# Altium PCB NAVISMINI.PcbDoc (part 2 of 3)
Units mm, origin at the board's own origin, x right, y up, seen from the top; angles counter-clockwise.
Board outline 112.9 x 55.9 mm, 2 copper layers (Top Layer, Bottom Layer); 137 components, 104 nets, 651 pads, 1057 vias.
Unrouted connection lines stored in the file: 57.
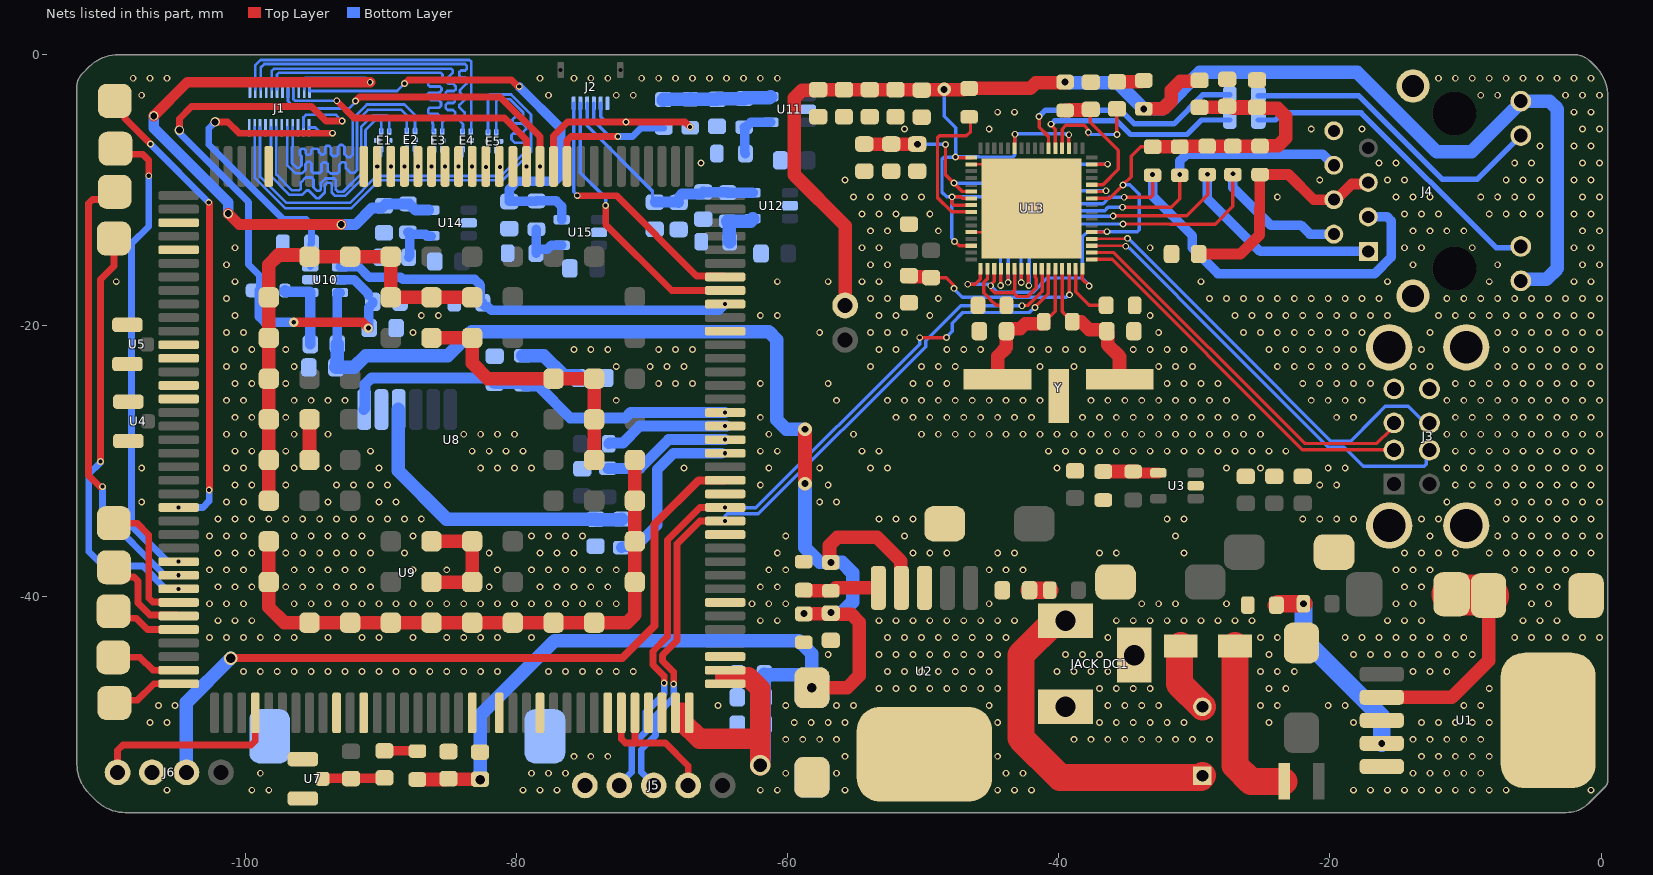
[diagram p2: the nets of this part, all layers, seen from the top]

## Via types
v1: diameter 0.5, hole 0.3, Top Layer to Bottom Layer, tented both sides, 1018 vias
v2: diameter 1, hole 0.5, Top Layer to Bottom Layer, tented both sides, 18 vias
v3: diameter 0.7, hole 0.35, Top Layer to Bottom Layer, tented both sides, 6 vias
v4: diameter 1, hole 0.7, Top Layer to Bottom Layer, tented both sides, 5 vias
v5: diameter 0.7, hole 0.5, Top Layer to Bottom Layer, tented both sides, 5 vias
v6: diameter 1.5, hole 1, Top Layer to Bottom Layer, tented both sides, 3 vias
v7: diameter 0.5, hole 0.3, Top Layer to Bottom Layer, 2 vias

## Nets (pads, with @x,y where several pads share a name; then routed paths per layer and width w, separated by ;. In a path a pad name is that pad's centre, name@x,y a point inside that pad or via, vN(x,y) a via of type N, cw(c..) or ccw(c..) an arc to the next point about the centre after c; other vN are vias at no path point) (continued)
GND: "JACK DC1.2" "JACK DC1.3" C1.2 C2.2 C3.2 C4.1 C5.1 C6.1 C7.2 C8.2 C9.2 C10.1 C11.1 C12.1 C13.1 C14.1 C16.1 C17.1 C18.1 C19.1 C20.1 C21.1 C22.1 C23.1 C24.1 C25.1 C26.1 C27.1 C28.1 C29.2 C30.1 C31.1 C32.1 C33.1 C34.1 C35.2 C36.1 C37.1 C38.2 C39.1 C40.1 C41.1 C42.2 C43.1 C44.1 C45.1 C46.1 C47.1 C48.2 C51.1 C52.1 D2.1 E1.5 E1.6 E2.5 E2.6 E3.5 E3.6 E4.5 E4.6 E5.5 E5.6 J1.1 J1.4 J1.7 J1.10 J1.15 J1.18 J1.21 J1.24 J2.6 J3.4 J3.8 J3.S1 J3.S2 J3.S3 J3.S4 J4.8 J4.15 J4.16 J5.5 J6.2 LED1.2 R3.1 R6.1 R7.1 R8.1 R14.1 R15.1 R17.1 R19.1 R23.1 R24.2 R35.1 R36.1 U1.3 U1.5 U2.3 U3.2 U4.E U5.E U7.E U8.3 U8.7 U8.12 U8.15 U8.27 U8.51 U8.62 U8.69 U8.76 U8.78 U8.85 U8.86 U8.88 U8.89 U8.120 U8.122 U8.130 U8.132 U8.135 U8.140 U8.143 U8.144 U8.147 U8.148 U8.149 U8.150 U8.160 U8.161 U8.162 U8.163 U8.164 U8.165 U8.166 U8.167 U8.168 U8.169 U8.170 U8.171 U8.172 U8.173 U8.174 U8.175 U8.176 U8.177 U8.178 U8.180 U8.181 U8.182 U8.184 U8.185 U8.186 U8.188 U8.189 U8.192 U8.193 U8.198 U8.200 U8.201 U8.208 U8.209 U9.C5 U9.S1 U10.2 U11.2 U12.2 U13.34 U13.44 U13.65 U14.2 U15.2 Y.3 | length 123.2
  Top Layer w0.2: U8.89@-104.9,-25.4 -104.862,-25.438 U8.89@-104.788,-25.364 ; U13.44@-46.45,-13.1 -43.75,-13.1 U13.65@-42,-11.35 -45.25,-8.1 U13.34@-46.45,-8.1
  Top Layer w1: U8.169@-98.25,-35.9 -98.25,-40.75 -97.1,-41.9 U8.171@-95.25,-41.9 U8.172@-92.25,-41.9 U8.173@-89.25,-41.9 U8.174@-86.25,-41.9 U8.175@-83.25,-41.9 U8.176@-80.25,-41.9 U8.177@-77.25,-41.9 U8.178@-74.25,-41.9 -71.836,-41.9 -71.25,-41.314 U8.147@-71.25,-38.9 U8.148@-71.25,-35.9 U8.149@-71.25,-32.9 U8.150@-71.25,-29.9 ; U8.168@-98.25,-32.9 U8.167@-98.25,-29.9 U8.166@-98.25,-26.9 U8.165@-98.25,-23.9 U8.164@-98.25,-20.9 U8.163@-98.25,-17.9 -98.25,-15.497 -97.535,-14.783 -95.367,-14.783 U8.162@-95.25,-14.9 U8.161@-92.25,-14.9 U8.160@-89.25,-14.9 U8.186@-89.25,-17.9 U8.185@-86.25,-17.9 U8.184@-83.25,-17.9 ; U8.189@-95.25,-29.9 U8.188@-95.25,-26.9 ; U8.192@-86.25,-38.9 U8.193@-83.25,-38.9 U8.209@-83.25,-35.9 U8.208@-86.25,-35.9 ; U8.201@-86.25,-20.9 U8.200@-83.25,-20.9 -83.25,-22.75 -82.1,-23.9 U8.198@-77.25,-23.9 U8.182@-74.25,-23.9 U8.181@-74.25,-26.9 U8.180@-74.25,-29.9
  other v1: -105.75,-54.25 -99.5,-54.25 -98.25,-54.25 -79.5,-54.25 -78.25,-54.25 -77,-54.25 -62,-54.25 -60.75,-54.25 -55.75,-54.25 -44.5,-54.25 -43.25,-54.25 -42,-54.25 -18.25,-54.25 -17,-54.25 -15.75,-54.25 -14.5,-54.25 -13.25,-54.25 -12,-54.25 -10.75,-54.25 -9.5,-54.25 -8.25,-54.25 -7,-54.25 -0.75,-54.25 -98.875,-53 -78.875,-53 -77.625,-53 -76.375,-53 -60.125,-53 -56.375,-53 -43.875,-53 -42.625,-53 -13.875,-53 -12.625,-53 -11.375,-53 -10.125,-53 -8.875,-53 -75.75,-51.75 -74.5,-51.75 -73.25,-51.75 -55.75,-51.75 -44.5,-51.75 -13.25,-51.75 -12,-51.75 -10.75,-51.75 -9.5,-51.75 -8.25,-51.75 -60.125,-50.5 -58.875,-50.5 -57.625,-50.5 -56.375,-50.5 -38.875,-50.5 -37.625,-50.5 -36.375,-50.5 -35.125,-50.5 -33.875,-50.5 -32.625,-50.5 -31.375,-50.5 -30.125,-50.5 -28.875,-50.5 -13.875,-50.5 -12.625,-50.5 -11.375,-50.5 -10.125,-50.5 -8.875,-50.5 -107,-49.25 -105.75,-49.25 -59.5,-49.25 -58.25,-49.25 -57,-49.25 -55.75,-49.25 -44.5,-49.25 -37,-49.25 -35.75,-49.25 -34.5,-49.25 -33.25,-49.25 -32,-49.25 -30.75,-49.25 -24.5,-49.25 -18.25,-49.25 -13.25,-49.25 -12,-49.25 -10.75,-49.25 -9.5,-49.25 -8.25,-49.25 -106.375,-48 -105.174,-48 -65.125,-48 -60.125,-48 -56.375,-48 -55.125,-48 -45.125,-48 -36.375,-48 -35.125,-48 -33.875,-48 -32.625,-48 -25.125,-48 -23.875,-48 -20.125,-48 -18.875,-48 -10.125,-48 -8.875,-48 -53.25,-46.75 -52,-46.75 -50.75,-46.75 -49.5,-46.75 -48.25,-46.75 -47,-46.75 -45.75,-46.75 -44.5,-46.75 -37,-46.75 -35.75,-46.75 -34.5,-46.75 -33.25,-46.75 -24.5,-46.75 -23.25,-46.75 -8.25,-46.75 -100.125,-45.5 -98.875,-45.5 -97.625,-45.5 -96.375,-45.5 -95.125,-45.5 -93.875,-45.5 -92.625,-45.5 -91.375,-45.5 -90.125,-45.5 -88.875,-45.5 -87.625,-45.5 -86.375,-45.5 -85.125,-45.5 -83.875,-45.5 -82.625,-45.5 -81.375,-45.5 -77.625,-45.5 -76.375,-45.5 -75.125,-45.5 -73.875,-45.5 -72.625,-45.5 -71.375,-45.5 -52.625,-45.5 -51.375,-45.5 -50.125,-45.5 -48.875,-45.5 -47.625,-45.5 -46.375,-45.5 -45.125,-45.5 -40.125,-45.5 -38.875,-45.5 -37.625,-45.5 -36.375,-45.5 -25.125,-45.5 -23.875,-45.5 -22.625,-45.5 -13.875,-45.5 -12.625,-45.5 -11.375,-45.5 -57,-44.25 -53.25,-44.25 -52,-44.25 -50.75,-44.25 -49.5,-44.25 -48.25,-44.25 -47,-44.25 -45.75,-44.25 -44.5,-44.25 -39.5,-44.25 -38.25,-44.25 -37,-44.25 -24.5,-44.25 -18.25,-44.25 -17,-44.25 -15.75,-44.25 -14.5,-44.25 -13.25,-44.25 -12,-44.25 -10.75,-44.25 -9.5,-44.25 -102.625,-43 -101.375,-43 -100.125,-43 -98.875,-43 -97.625,-43 -96.375,-43 -93.875,-43 -91.375,-43 -90.125,-43 -87.625,-43 -85.125,-43 -83.875,-43 -82.625,-43 -81.375,-43 -78.875,-43 -52.625,-43 -51.375,-43 -50.125,-43 -48.875,-43 -47.625,-43 -46.375,-43 -45.125,-43 -43.875,-43 -36.375,-43 -25.125,-43 -23.875,-43 -18.875,-43 -17.625,-43 -16.375,-43 -15.125,-43 -13.875,-43 -12.625,-43 -11.375,-43 -10.125,-43 -6.375,-43 -5.125,-43 -3.875,-43 -2.625,-43 -1.375,-43 -0.125,-43 -102,-41.75 -100.75,-41.75 -99.5,-41.75 -62,-41.75 -60.75,-41.75 -53.25,-41.75 -52,-41.75 -50.75,-41.75 -49.5,-41.75 -48.25,-41.75 -47,-41.75 -45.75,-41.75 -44.5,-41.75 -43.25,-41.75 -35.75,-41.75 -34.5,-41.75 -33.25,-41.75 -32,-41.75 -30.75,-41.75 -29.5,-41.75 -28.25,-41.75 -27,-41.75 -25.75,-41.75 -15.75,-41.75 -14.5,-41.75 -13.25,-41.75 -5.75,-41.75 -4.5,-41.75 -3.25,-41.75 -102.625,-40.5 -101.375,-40.5 -100.125,-40.5 -96.375,-40.5 -95.125,-40.5 -93.875,-40.5 -92.625,-40.5 -91.375,-40.5 -90.125,-40.5 -88.875,-40.5 -87.625,-40.5 -86.375,-40.5 -85.125,-40.5 -83.875,-40.5 -82.625,-40.5 -81.375,-40.5 -80.125,-40.5 -78.875,-40.5 -77.625,-40.5 -76.375,-40.5 -75.125,-40.5 -73.875,-40.5 -72.625,-40.5 -62.625,-40.5 -61.375,-40.5 -60.125,-40.5 -45.125,-40.5 -33.875,-40.5 -32.625,-40.5 -31.375,-40.5 -27.625,-40.5 -15.125,-40.5 -13.875,-40.5 -5.125,-40.5 -3.875,-40.5 -102,-39.25 -100.75,-39.25 -99.5,-39.25 -97,-39.25 -95.75,-39.25 -94.5,-39.25 -93.25,-39.25 -92,-39.25 -90.75,-39.25 -82,-39.25 -78.25,-39.25 -77,-39.25 -75.75,-39.25 -74.5,-39.25 -73.25,-39.25 -62,-39.25 -60.75,-39.25 -14.5,-39.25 -13.25,-39.25 -5.75,-39.25 -4.5,-39.25 -3.25,-39.25 -102.625,-38 -101.375,-38 -100.125,-38 -96.375,-38 -95.125,-38 -93.875,-38 -92.625,-38 -91.375,-38 -87.625,-38 -85.125,-38 -81.375,-38 -78.875,-38 -77.625,-38 -76.375,-38 -75.125,-38 -73.875,-38 -72.625,-38 -61.375,-38 -60.125,-38 -45.125,-38 -43.875,-38 -42.625,-38 -15.125,-38 -13.875,-38 -12.625,-38 -6.375,-38 -5.125,-38 -3.875,-38 -2.625,-38 -102,-36.75 -100.75,-36.75 -99.5,-36.75 -97,-36.75 -95.75,-36.75 -94.5,-36.75 -93.25,-36.75 -92,-36.75 -90.75,-36.75 -88.25,-36.75 -82,-36.75 -78.25,-36.75 -77,-36.75 -75.75,-36.75 -60.75,-36.75 -50.75,-36.75 -49.5,-36.75 -48.25,-36.75 -44.5,-36.75 -43.25,-36.75 -37,-36.75 -35.75,-36.75 -30.75,-36.75 -14.5,-36.75 -13.25,-36.75 -12,-36.75 -10.75,-36.75 -8.25,-36.75 -7,-36.75 -5.75,-36.75 -4.5,-36.75 -3.25,-36.75 -2,-36.75 -0.75,-36.75 -102.625,-35.5 -101.375,-35.5 -100.125,-35.5 -96.375,-35.5 -95.125,-35.5 -93.875,-35.5 -92.625,-35.5 -91.375,-35.5 -87.625,-35.5 -78.875,-35.5 -77.625,-35.5 -76.375,-35.5 -75.125,-35.5 -60.125,-35.5 -51.375,-35.5 -31.375,-35.5 -12.625,-35.5 -7.625,-35.5 -6.375,-35.5 -5.125,-35.5 -3.875,-35.5 -2.625,-35.5 -1.375,-35.5 -0.125,-35.5 -102,-34.25 -100.75,-34.25 -99.5,-34.25 -98.25,-34.25 -97,-34.25 -95.75,-34.25 -94.5,-34.25 -93.25,-34.25 -92,-34.25 -90.75,-34.25 -89.5,-34.25 -88.25,-34.25 -87,-34.25 -53.25,-34.25 -52,-34.25 -50.75,-34.25 -32,-34.25 -30.75,-34.25 -22,-34.25 -20.75,-34.25 -19.5,-34.25 -18.25,-34.25 -13.25,-34.25 -12,-34.25 -7,-34.25 -5.75,-34.25 -4.5,-34.25 -3.25,-34.25 -2,-34.25 -0.75,-34.25 -107.625,-33 -101.375,-33 -100.125,-33 -93.875,-33 -90.125,-33 -88.875,-33 -57.625,-33 -56.375,-33 -11.375,-33 -7.625,-33 -6.375,-33 -5.125,-33 -3.875,-33 -2.625,-33 -1.375,-33 -0.125,-33 -100.75,-31.75 -99.5,-31.75 -97,-31.75 -93.25,-31.75 -92,-31.75 -90.75,-31.75 -89.5,-31.75 -62,-31.75 -57,-31.75 -20.75,-31.75 -19.5,-31.75 -10.75,-31.75 -9.5,-31.75 -8.25,-31.75 -7,-31.75 -5.75,-31.75 -4.5,-31.75 -3.25,-31.75 -2,-31.75 -0.75,-31.75 -107.625,-30.5 -101.375,-30.5 -100.125,-30.5 -96.375,-30.5 -93.875,-30.5 -90.125,-30.5 -82.625,-30.5 -81.375,-30.5 -80.125,-30.5 -78.875,-30.5 -67.625,-30.5 -61.375,-30.5 -57.625,-30.5 -53.875,-30.5 -52.625,-30.5 -40.125,-30.5 -27.625,-30.5 -25.125,-30.5 -20.125,-30.5 -18.875,-30.5 -11.375,-30.5 -10.125,-30.5 -8.875,-30.5 -7.625,-30.5 -6.375,-30.5 -5.125,-30.5 -3.875,-30.5 -2.625,-30.5 -1.375,-30.5 -0.125,-30.5 -100.75,-29.25 -99.5,-29.25 -97,-29.25 -90.75,-29.25 -83.25,-29.25 -82,-29.25 -80.75,-29.25 -79.5,-29.25 -62,-29.25 -60.75,-29.25 -54.5,-29.25 -53.25,-29.25 -40.75,-29.25 -39.5,-29.25 -38.25,-29.25 -37,-29.25 -35.75,-29.25 -34.5,-29.25 -33.25,-29.25 -32,-29.25 -30.75,-29.25 -29.5,-29.25 -28.25,-29.25 -27,-29.25 -25.75,-29.25 -24.5,-29.25 -23.25,-29.25 -10.75,-29.25 -9.5,-29.25 -8.25,-29.25 -7,-29.25 -5.75,-29.25 -4.5,-29.25 -3.25,-29.25 -2,-29.25 -0.75,-29.25 -101.375,-28 -100.125,-28 -96.375,-28 -93.875,-28 -83.875,-28 -82.625,-28 -81.375,-28 -80.125,-28 -61.375,-28 -55.125,-28 -50.125,-28 -48.875,-28 -47.625,-28 -46.375,-28 -45.125,-28 -43.875,-28 -42.625,-28 -41.375,-28 -40.125,-28 -38.875,-28 -37.625,-28 -36.375,-28 -35.125,-28 -33.875,-28 -32.625,-28 -31.375,-28 -30.125,-28 -28.875,-28 -27.625,-28 -26.375,-28 -25.125,-28 -11.375,-28 -10.125,-28 -8.875,-28 -7.625,-28 -6.375,-28 -5.125,-28 -3.875,-28 -2.625,-28 -1.375,-28 -0.125,-28 -100.75,-26.75 -99.5,-26.75 -97,-26.75 -62,-26.75 -52,-26.75 -50.75,-26.75 -49.5,-26.75 -48.25,-26.75 -47,-26.75 -45.75,-26.75 -44.5,-26.75 -43.25,-26.75 -42,-26.75 -38.25,-26.75 -37,-26.75 -35.75,-26.75 -34.5,-26.75 -33.25,-26.75 -32,-26.75 -30.75,-26.75 -29.5,-26.75 -28.25,-26.75 -27,-26.75 -25.75,-26.75 -19.5,-26.75 -18.25,-26.75 -10.75,-26.75 -9.5,-26.75 -8.25,-26.75 -7,-26.75 -5.75,-26.75 -4.5,-26.75 -3.25,-26.75 -2,-26.75 -0.75,-26.75 -101.375,-25.5 -100.125,-25.5 -96.375,-25.5 -95.125,-25.5 -93.875,-25.5 -92.625,-25.5 -72.625,-25.5 -56.375,-25.5 -52.625,-25.5 -51.375,-25.5 -50.125,-25.5 -48.875,-25.5 -47.625,-25.5 -46.375,-25.5 -45.125,-25.5 -43.875,-25.5 -42.625,-25.5 -41.375,-25.5 -37.625,-25.5 -36.375,-25.5 -35.125,-25.5 -33.875,-25.5 -32.625,-25.5 -31.375,-25.5 -30.125,-25.5 -28.875,-25.5 -27.625,-25.5 -21.375,-25.5 -20.125,-25.5 -18.875,-25.5 -17.625,-25.5 -11.375,-25.5 -10.125,-25.5 -8.875,-25.5 -7.625,-25.5 -6.375,-25.5 -5.125,-25.5 -3.875,-25.5 -2.625,-25.5 -1.375,-25.5 -0.125,-25.5 -100.75,-24.25 -99.5,-24.25 -97,-24.25 -69.5,-24.25 -68.25,-24.25 -67,-24.25 -62,-24.25 -57,-24.25 -50.75,-24.25 -49.5,-24.25 -48.25,-24.25 -32,-24.25 -30.75,-24.25 -29.5,-24.25 -28.25,-24.25 -22,-24.25 -20.75,-24.25 -19.5,-24.25 -18.25,-24.25 -17,-24.25 -10.75,-24.25 -9.5,-24.25 -8.25,-24.25 -7,-24.25 -5.75,-24.25 -4.5,-24.25 -3.25,-24.25 -2,-24.25 -0.75,-24.25 -101.375,-23 -100.125,-23 -96.375,-23 -72.625,-23 -70.125,-23 -68.875,-23 -67.625,-23 -53.875,-23 -50.125,-23 -48.875,-23 -47.625,-23 -41.375,-23 -38.875,-23 -32.625,-23 -31.375,-23 -30.125,-23 -23.875,-23 -22.625,-23 -21.375,-23 -20.125,-23 -18.875,-23 -17.625,-23 -13.875,-23 -12.625,-23 -7.625,-23 -6.375,-23 -5.125,-23 -3.875,-23 -2.625,-23 -1.375,-23 -0.125,-23 -100.75,-21.75 -99.5,-21.75 -97,-21.75 -75.75,-21.75 -74.5,-21.75 -73.25,-21.75 -69.5,-21.75 -68.25,-21.75 -67,-21.75 -53.25,-21.75 -52,-21.75 -48.25,-21.75 -47,-21.75 -45.75,-21.75 -42,-21.75 -40.75,-21.75 -39.5,-21.75 -38.25,-21.75 -34.5,-21.75 -33.25,-21.75 -32,-21.75 -30.75,-21.75 -24.5,-21.75 -23.25,-21.75 -22,-21.75 -20.75,-21.75 -19.5,-21.75 -18.25,-21.75 -13.25,-21.75 -7,-21.75 -5.75,-21.75 -4.5,-21.75 -3.25,-21.75 -2,-21.75 -0.75,-21.75 -101.375,-20.5 -100.125,-20.5 -87.625,-20.5 -57.625,-20.5 -53.875,-20.5 -52.625,-20.5 -51.375,-20.5 -32.625,-20.5 -26.375,-20.5 -25.125,-20.5 -23.875,-20.5 -22.625,-20.5 -21.375,-20.5 -20.125,-20.5 -18.875,-20.5 -17.625,-20.5 -12.625,-20.5 -7.625,-20.5 -6.375,-20.5 -5.125,-20.5 -3.875,-20.5 -2.625,-20.5 -1.375,-20.5 -0.125,-20.5 -100.75,-19.25 -87,-19.25 -85.75,-19.25 -62,-19.25 -60.75,-19.25 -53.25,-19.25 -52,-19.25 -49.5,-19.25 -33.25,-19.25 -27,-19.25 -25.75,-19.25 -24.5,-19.25 -23.25,-19.25 -22,-19.25 -20.75,-19.25 -19.5,-19.25 -18.25,-19.25 -17,-19.25 -15.75,-19.25 -12,-19.25 -10.75,-19.25 -9.5,-19.25 -8.25,-19.25 -7,-19.25 -5.75,-19.25 -4.5,-19.25 -3.25,-19.25 -2,-19.25 -0.75,-19.25 -101.375,-18 -53.875,-18 -52.625,-18 -48.875,-18 -28.875,-18 -27.625,-18 -26.375,-18 -25.125,-18 -23.875,-18 -22.625,-18 -21.375,-18 -20.125,-18 -18.875,-18 -17.625,-18 -16.375,-18 -11.375,-18 -10.125,-18 -8.875,-18 -7.625,-18 -6.375,-18 -5.125,-18 -3.875,-18 -2.625,-18 -1.375,-18 -0.125,-18 -109.5,-16.75 -100.75,-16.75 -60.75,-16.75 -57,-16.75 -54.5,-16.75 -53.25,-16.75 -29.5,-16.75 -15.75,-16.75 -8.25,-16.75 -2,-16.75 -0.75,-16.75 -101.375,-15.5 -53.875,-15.5 -52.625,-15.5 -13.875,-15.5 -7.625,-15.5 -1.375,-15.5 -0.125,-15.5 -100.75,-14.25 -54.5,-14.25 -53.25,-14.25 -33.25,-14.25 -14.5,-14.25 -13.25,-14.25 -9.5,-14.25 -2,-14.25 -0.75,-14.25 -53.875,-13 -52.625,-13 -48.875,-13 -13.875,-13 -12.625,-13 -11.375,-13 -10.125,-13 -1.375,-13 -0.125,-13 -54.5,-11.75 -53.25,-11.75 -52,-11.75 -49.5,-11.75 -14.5,-11.75 -13.25,-11.75 -12,-11.75 -8.25,-11.75 -7,-11.75 -5.75,-11.75 -4.5,-11.75 -2,-11.75 -0.75,-11.75 -55.125,-10.5 -53.875,-10.5 -52.625,-10.5 -51.375,-10.5 -50.125,-10.5 -23.875,-10.5 -15.125,-10.5 -13.875,-10.5 -12.625,-10.5 -8.875,-10.5 -7.625,-10.5 -6.375,-10.5 -5.125,-10.5 -1.375,-10.5 -0.125,-10.5 -55.75,-9.25 -20.75,-9.25 -15.75,-9.25 -14.5,-9.25 -7,-9.25 -5.75,-9.25 -4.5,-9.25 -2,-9.25 -0.75,-9.25 -66.375,-8 -16.375,-8 -15.125,-8 -6.375,-8 -5.125,-8 -1.375,-8 -0.125,-8 -4.5,-6.75 -2,-6.75 -0.75,-6.75 -51.375,-5.5 -45.125,-5.5 -21.375,-5.5 -17.625,-5.5 -1.375,-5.5 -0.125,-5.5 -44.5,-4.25 -43.25,-4.25 -2,-4.25 -0.75,-4.25 -107.625,-3 -77.625,-3 -72.625,-3 -71.375,-3 -8.875,-3 -7.625,-3 -2.625,-3 -1.375,-3 -0.125,-3 -108.25,-1.75 -107,-1.75 -105.75,-1.75 -78.25,-1.75 -75.75,-1.75 -74.5,-1.75 -73.25,-1.75 -70.75,-1.75 -69.5,-1.75 -68.25,-1.75 -67,-1.75 -65.75,-1.75 -64.5,-1.75 -63.25,-1.75 -62,-1.75 -60.75,-1.75 -12,-1.75 -10.75,-1.75 -9.5,-1.75 -8.25,-1.75 -7,-1.75 -5.75,-1.75 -4.5,-1.75 -3.25,-1.75 -2,-1.75 -0.75,-1.75
LCD_1VIO8: C47.2 J1.13 R34.2 U15.5 | length 34.1
  Top Layer w0.5: v1(-88.235,-2.141) -87.965,-1.871 -80.36,-1.871 -79.859,-2.372 v1(-79.778,-2.372)
  Bottom Layer w0.2: J1.13@-95.241,-2.559 -95.241,-2.692 -88.786,-2.692 v1(-88.235,-2.141)
  Bottom Layer w0.7: v1(-79.778,-2.372) -76.735,-5.415 -76.735,-8.922 -77.145,-9.332 -79.923,-9.332 -80.509,-9.918 C47.2@-80.509,-10.837 -80.483,-10.811 -78.538,-10.811 R34.2@-78.512,-10.785 -77.06,-10.785 -76.65,-11.195 U15.5@-76.65,-12.172
LCD_2VCC8: C45.2 J1.14 R33.2 U14.5 | length 48.2
  Top Layer w0.8: v5(-106.737,-4.522) -104.257,-2.042 v1(-90.771,-2.042) ; v5(-101.24,-11.729) -100.434,-12.535 v5(-92.908,-12.535)
  Bottom Layer w0.2: J1.14@-95.641,-2.559 -95.641,-1.827 -95.524,-1.709 -91.104,-1.709 v1(-90.771,-2.042)
  Bottom Layer w0.8: v5(-106.737,-4.522) -106.737,-5.416 -101.24,-10.913 v5(-101.24,-11.729) ; v5(-92.908,-12.535) -91.843,-12.535 -90.633,-11.325 -89.933,-11.325 -89.63,-11.022 -87.999,-11.022 R33.2@-87.989,-11.012 -87.889,-11.012 -87.437,-11.464 U14.5@-86.455,-11.464
LCD_LEDA: C21.2 C22.2 D3.2 J1.11 U10.5 | length 46.8
  Top Layer w0.5: v5(-104.842,-5.572) -104.842,-4.735 -103.94,-3.833 -95.097,-3.833 -94.031,-4.899 v1(-92.84,-4.899)
  Top Layer w0.7: v3(-96.411,-19.745) -91.331,-19.745 v3(-90.904,-20.172)
  Bottom Layer w0.2: J1.11@-95.692,-5.385 -95.692,-4.634 -95.506,-4.448 -93.291,-4.448 v1(-92.84,-4.899)
  Bottom Layer w0.5: v5(-104.842,-5.572) -104.842,-5.784 -99.739,-10.887 -99.739,-14.389 -99.737,-14.391 -99.737,-15.479 -98.957,-16.259 -98.957,-17.391 D3.2@-98.95,-17.399
  Bottom Layer w0.7: D3.2@-98.95,-17.399 -98.95,-19.335 -98.54,-19.745 v3(-96.411,-19.745) ; U10.5@-92.996,-16.6 -91.965,-16.6 -90.932,-17.633 C21.2@-90.932,-17.733 ; C22.2@-90.854,-20.172 -90.886,-20.14 -90.886,-18.65 -90.574,-18.338 C21.2@-90.574,-18.238
LCD_LEDK: J1.12 R14.2 U10.3 | length 25.9
  Top Layer w0.5: v5(-102.209,-4.973) -101.276,-4.973 -100.448,-5.801 v1(-93.562,-5.801)
  Bottom Layer w0.2: J1.12@-95.292,-5.385 -94.824,-5.385 -94.408,-5.801 v1(-93.562,-5.801)
  Bottom Layer w0.5: v5(-102.209,-4.973) -102.677,-5.441 -102.677,-6.639 -97.165,-12.151 -95.515,-12.151 -95.105,-12.561 R14.2@-95.105,-13.911 -95.15,-13.956 -95.15,-15.605 U10.3@-95.196,-15.65
LCD_RST: J1.17 U8.49 | length 23.5
  Top Layer w0.5: v1(-91.854,-3.426) -91.551,-3.123 -81.186,-3.123 -78.25,-6.059 v1(-78.25,-8.25)
  Bottom Layer w0.2: J1.17@-96.841,-2.559 -96.841,-3.434 -96.293,-3.982 -92.329,-3.982 -91.854,-3.507 v1(-91.854,-3.426)
LCD_TE: J1.16 U8.50 | length 21.1
  Top Layer w0.5: v1(-93.237,-3.41) -91.971,-4.675 -80.871,-4.675 -79.25,-6.296 v1(-79.25,-8.25)
  Bottom Layer w0.2: J1.16@-96.441,-2.559 -96.441,-3.292 -96.324,-3.41 v1(-93.237,-3.41)
LCM_TC_N: E5.3 J1.3 | length 36.3
  Bottom Layer w0.2: J1.3@-98.892,-5.385 -98.892,-9.005 -96.958,-10.939 -92.277,-10.939 -90.298,-8.96 -81.119,-8.96 -79.242,-7.083 -79.242,-6.715 -79.444,-6.513 -80.097,-6.513 -80.35,-6.26 -80.35,-5.943 -80.233,-5.826 -79.597,-5.826 -79.272,-5.501 -79.272,-5.335 -79.527,-5.08 -80.166,-5.08 -80.283,-4.963 -80.283,-4.797 -80.077,-4.591 -79.612,-4.591 -79.495,-4.474 -79.495,-4.256 -80.454,-3.297 -81.36,-3.297 -81.477,-3.414 E5.3@-81.477,-5.755
LCM_TC_P: E5.4 J1.2 | length 36
  Bottom Layer w0.2: J1.2@-99.292,-5.385 -99.292,-9.07 -97.021,-11.341 -92.18,-11.341 -90.101,-9.262 -80.997,-9.262 -78.909,-7.174 -78.909,-4.418 -80.377,-2.95 -81.96,-2.95 -82.077,-3.067 E5.4@-82.077,-5.755
LCM_TD0_N: E4.3 J1.23 | length 23.1
  Bottom Layer w0.2: J1.23@-99.241,-2.559 -99.241,-0.785 -98.855,-0.399 -83.442,-0.399 -83.325,-0.516 -83.325,-5.652 E4.3@-83.36,-5.687
LCM_TD0_P: E4.4 J1.22 | length 23.5
  Bottom Layer w0.2: J1.22@-98.841,-2.559 -98.841,-0.965 -98.575,-0.699 -83.772,-0.699 -83.655,-0.816 -83.655,-1.061 -83.772,-1.178 -84.081,-1.178 -84.203,-1.3 -84.203,-1.547 -84.066,-1.684 -83.772,-1.684 -83.655,-1.801 -83.655,-2.13 -84.152,-2.627 -84.152,-2.792 -83.79,-3.154 -83.79,-3.32 -84.197,-3.727 -84.197,-3.893 -83.808,-4.282 -83.808,-4.447 -84.118,-4.757 -84.118,-4.923 -83.924,-5.117 -83.924,-5.651 E4.4@-83.96,-5.687
LCM_TD1_N: E3.3 J1.20 | length 22.8
  Bottom Layer w0.2: J1.20@-98.041,-2.559 -98.041,-1.225 -97.867,-1.051 -84.791,-1.051 -84.674,-1.168 -84.674,-1.334 -85.146,-1.806 -85.146,-2.023 -85.029,-2.14 -84.67,-2.14 -84.471,-2.339 -84.471,-2.573 -84.588,-2.69 -85.084,-2.69 -85.201,-2.807 -85.201,-2.98 -85.084,-3.097 -84.728,-3.097 -84.527,-3.298 -84.527,-3.464 -84.644,-3.581 -85.079,-3.581 -85.196,-3.698 -85.196,-3.971 -85.079,-4.088 -84.67,-4.088 -84.505,-4.253 -84.505,-4.434 -84.694,-4.623 -85.101,-4.623 -85.458,-4.98 E3.3@-85.458,-5.687
LCM_TD1_P: E3.4 J1.19 | length 22.8
  Bottom Layer w0.2: J1.19@-97.641,-2.559 -97.641,-1.468 -97.524,-1.351 -85.563,-1.351 -85.446,-1.468 -85.446,-1.758 -85.563,-1.875 -86.376,-1.875 -86.493,-1.992 -86.493,-2.235 -86.376,-2.352 -85.632,-2.352 -85.515,-2.469 -85.515,-2.655 -85.679,-2.819 -86.424,-2.819 -86.541,-2.936 -86.541,-3.102 -86.283,-3.36 -85.722,-3.36 -85.557,-3.525 -85.557,-3.795 -85.684,-3.922 -86.384,-3.922 -86.501,-4.039 -86.501,-4.271 -86.384,-4.388 -85.797,-4.388 -85.68,-4.505 -85.68,-4.671 -85.806,-4.797 -86.053,-4.797 -86.17,-4.914 -86.17,-5.08 -86.133,-5.117 -86.133,-5.612 E3.4@-86.058,-5.687
LCM_TD2_N: E2.3 J1.9 | length 21.2
  Bottom Layer w0.2: J1.9@-96.492,-5.385 -96.492,-6.769 -96.533,-6.81 -96.533,-8.011 -96.478,-8.066 -96.468,-8.066 -96.176,-8.358 -96.01,-8.358 -95.838,-8.186 -95.838,-7.491 -95.942,-7.387 -95.942,-7.066 -95.825,-6.949 -95.652,-6.949 -95.535,-7.066 -95.535,-7.276 -95.418,-7.393 -95.252,-7.393 -95.116,-7.257 -95.116,-7.055 -94.999,-6.938 -94.683,-6.938 -94.566,-7.055 -94.566,-7.186 -94.377,-7.375 -94.211,-7.375 -94.094,-7.258 -94.094,-6.845 -93.977,-6.728 -93.811,-6.728 -93.662,-6.877 -93.662,-7.369 -93.545,-7.486 -93.268,-7.486 -93.151,-7.369 -93.151,-6.818 -93,-6.667 -92.809,-6.667 -92.666,-6.81 -92.666,-7.348 -92.439,-7.575 -92.263,-7.575 -92.048,-7.36 -92.048,-4.717 -91.021,-3.69 -88.247,-3.69 -87.469,-4.468 E2.3@-87.469,-5.647
LCM_TD2_P: E2.4 J1.8 | length 20.9
  Bottom Layer w0.2: J1.8@-96.892,-5.385 -96.892,-8.157 -96.291,-8.758 -95.79,-8.758 -95.538,-8.506 -95.538,-8.066 -95.388,-7.915 -95.222,-7.915 -95.105,-8.032 -95.105,-8.614 -94.988,-8.731 -94.474,-8.731 -94.357,-8.614 -94.357,-8.074 -94.24,-7.957 -94.018,-7.957 -93.901,-8.074 -93.901,-8.572 -93.694,-8.779 -93.188,-8.779 -93.06,-8.651 -93.06,-8.145 -92.851,-7.936 -92.685,-7.936 -92.568,-8.053 -92.568,-8.379 -92.232,-8.715 -91.94,-8.715 -91.748,-8.523 -91.748,-4.888 -90.934,-4.074 -88.477,-4.074 -88.069,-4.482 E2.4@-88.069,-5.647
LCM_TD3_N: E1.3 J1.6 | length 20.6
  Bottom Layer w0.2: J1.6@-97.692,-5.385 -97.692,-8.844 -96.524,-10.012 -96.007,-10.012 -95.89,-9.895 -95.89,-9.429 -95.532,-9.071 -95.092,-9.071 -94.949,-9.214 -94.949,-9.802 -94.697,-10.054 -94.531,-10.054 -94.414,-9.937 -94.414,-9.478 -94.079,-9.143 -93.419,-9.143 -93.302,-9.26 -93.302,-9.953 -93.136,-10.119 -92.757,-10.119 -91.441,-8.803 -91.441,-5.35 -90.586,-4.495 -89.531,-4.495 -89.365,-4.661 E1.3@-89.365,-5.684
LCM_TD3_P: E1.4 J1.5 | length 19.3
  Bottom Layer w0.2: J1.5@-98.092,-5.385 -98.092,-8.967 -96.712,-10.347 -95.794,-10.347 -95.468,-10.021 -95.303,-10.021 -94.724,-10.6 -94.559,-10.6 -94.114,-10.155 -94.114,-9.602 -93.958,-9.446 -93.719,-9.446 -93.602,-9.563 -93.602,-10.193 -93.376,-10.419 -92.633,-10.419 -91.121,-8.907 -91.121,-5.566 -90.386,-4.831 -90.082,-4.831 -89.965,-4.948 E1.4@-89.965,-5.684
NetC16_2: C16.2 R13.1 | length 4.8
  Bottom Layer w1: R13.1@-79.507,-22.203 -77.979,-22.203 -76.51,-23.672 -75.472,-23.672 -75.397,-23.747 C16.2@-75.397,-23.847
NetC48_1: C48.1 J4.4 J4.5 R32.1 | length 18.8
  Top Layer w0.8: C48.1@-29.678,-14.708 -26.588,-14.708 -25.187,-13.307 -25.187,-11.368 -25.169,-11.349 R32.1@-25.169,-8.819 ; R32.1@-25.15,-8.85 -23.044,-8.85 -21.191,-10.703 -19.547,-10.703 -18.392,-9.547 -17.283,-9.547 J4.5@-17.169,-9.433
NetD1_1: D1.1 F1.2 | length 5.2
  Top Layer w2: D1.1@-31,-43.6 -31.1,-43.7 -31.1,-46.4 F1.2@-29.4,-48.1